# Allegro board BeagleBoard-X15_RevA2.brd (continued)
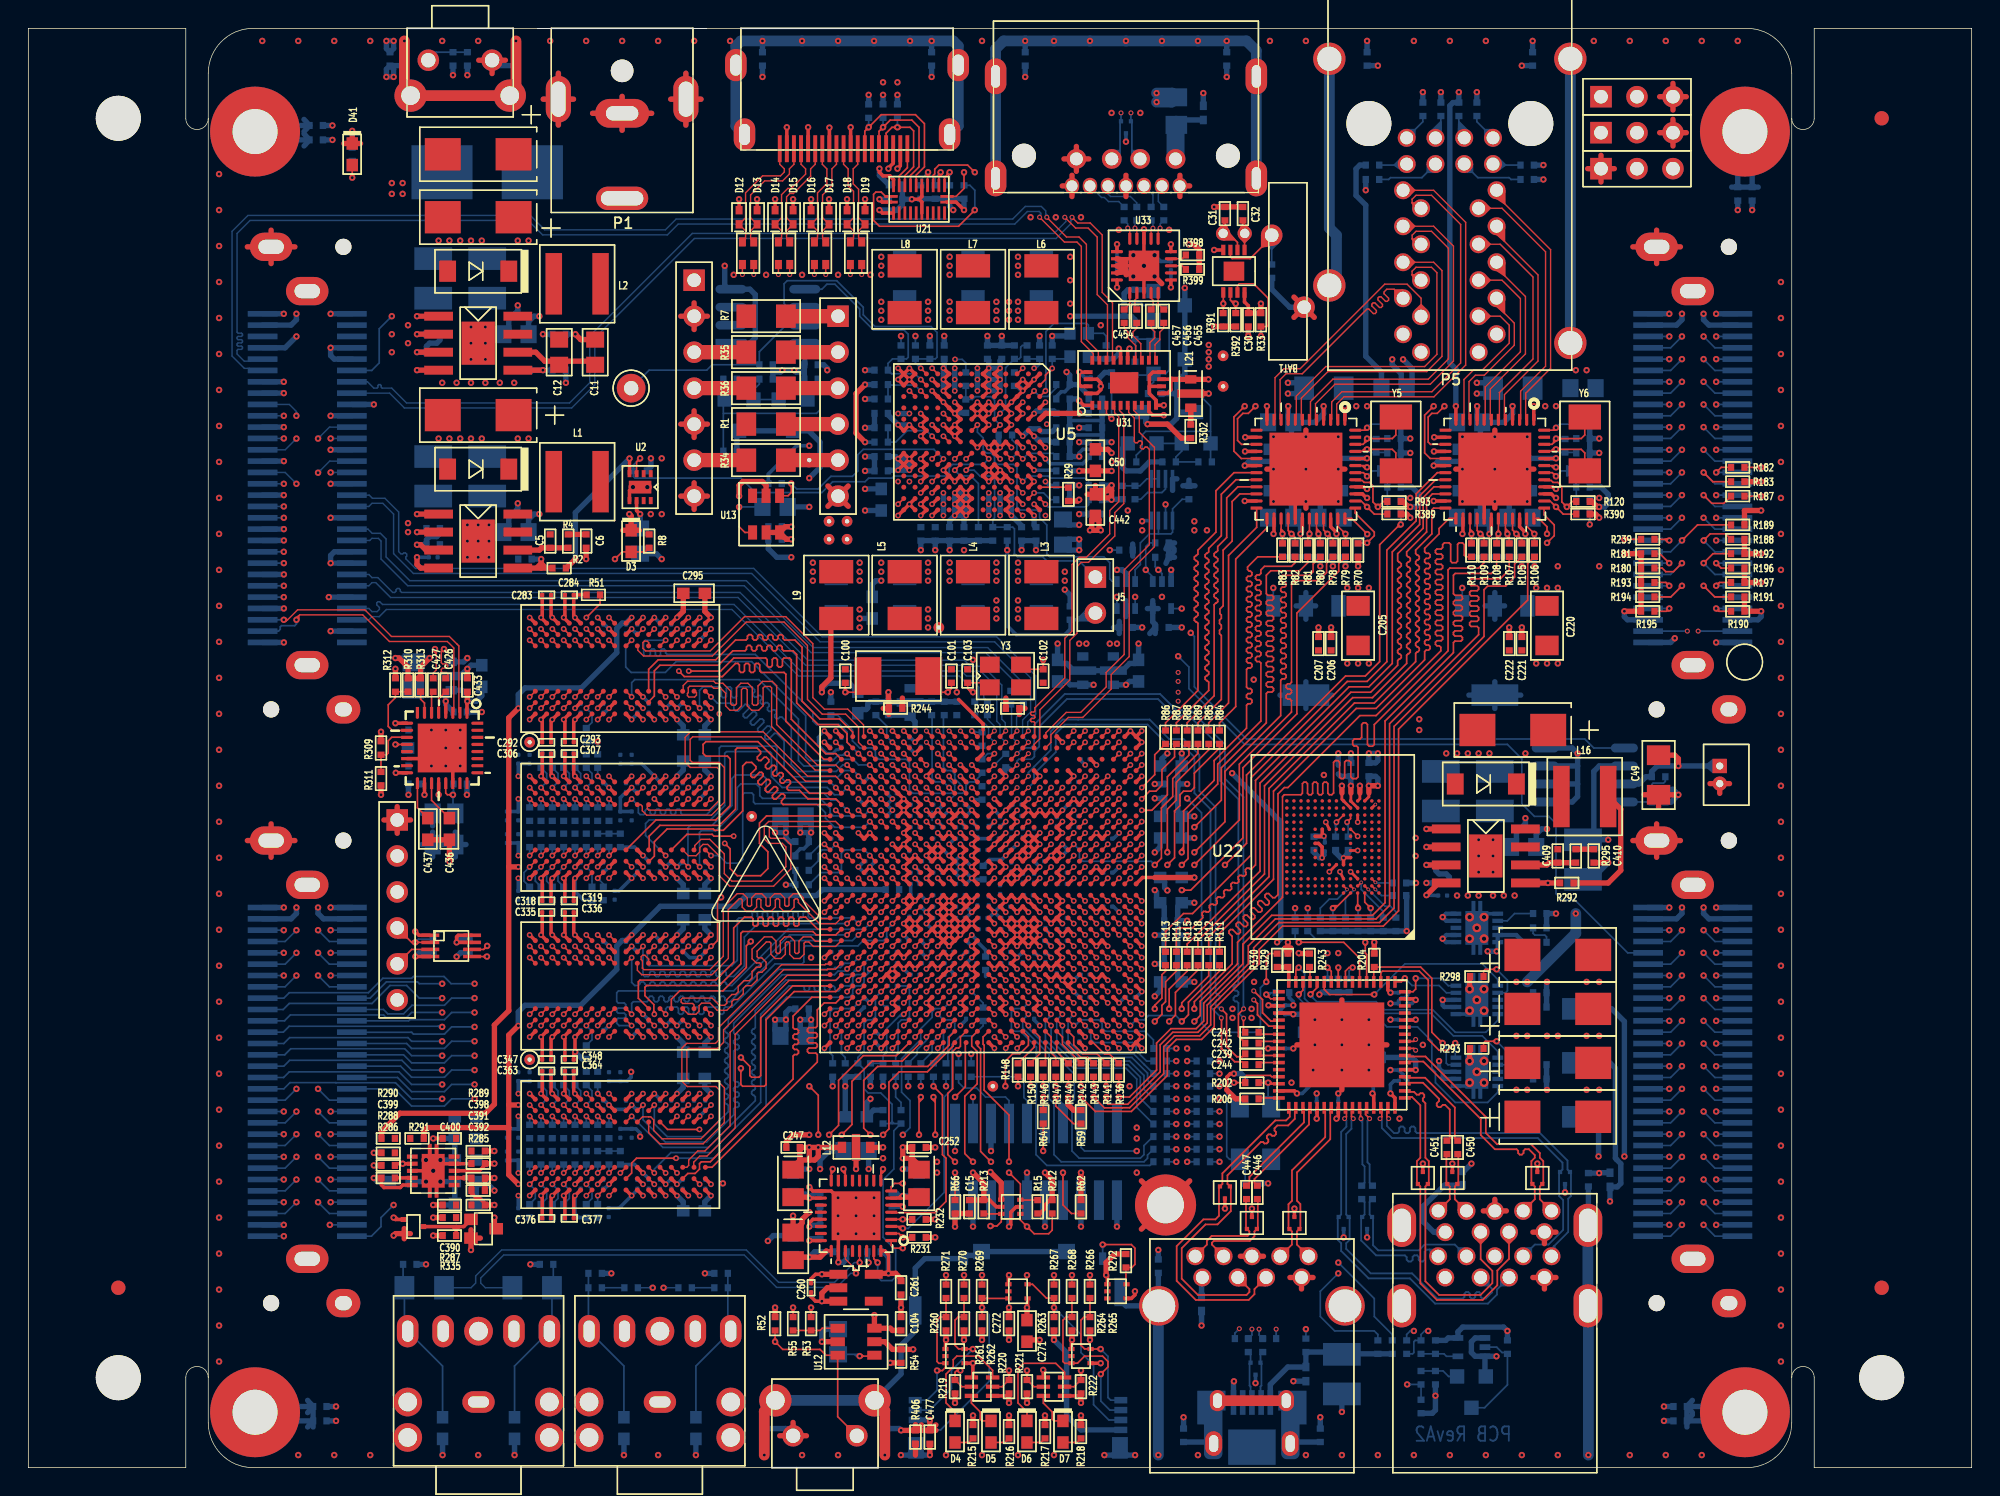
[diagram p0: board, top side]
## Routing (per net, layer and track width the routed paths; a pad name or vN(x,y) marks a point on that pad's centre or on a via; arc(x,y) is an arc through that point) (continued)
GND_SIGNAL: length 24
  TOP w0.254: v2(57.15,16.51) 57.17,16.49 U18.26 v2(57.17,14.5) ; v2(55.12,19.81) 55.12,19.78 55.37,19.53 U18.17 56.67,19.53 v2(57.15,19.05)
  TOP w0.381: v2(55.12,23.5) 53.98,23.5 53.5,23.02 C247.2
  SIG_L8 w0.381: 43.26,4.64 P9.1 ; P9.1 45.9,4.64 ; P9.1 44.58,3.7 ; P9.1 44.58,5.58 ; P8.1 33.1,4.64 ; P8.1 31.78,5.58 ; P8.1 31.78,3.7 ; P8.1 30.45,4.64
  BOTTOM w0.381: R226.2 v2(35.43,14.35) ; R228.2 v2(28.07,14.35) ; C248.2 57.75,14.72 57.53,14.5 v2(57.17,14.5) ; v2(52.2,16) 52.58,16.38 C249.2 ; v2(55.88,21.08) 55.88,21.72 56.52,22.35 FB9.2 ; R234.2 v2(41.15,13.72) ; R235.2 v2(47.75,13.72)
  vias: v2(57.15,17.78) v2(58.42,19.05) v2(58.42,17.78) v2(58.42,16.51) v2(59.69,19.05) v2(59.69,17.78) v2(59.69,16.51)
VBUS_DET: length 51.9
  TOP w0.12: v2(68.96,26.92) 68.96,28.7 69.47,29.21 69.98,29.21 70.59,29.82 70.59,30.41 U11.B11
  SIG_L10 w0.094: v2(68.96,26.92) 68.96,26.29 71.63,23.62 74.68,23.62 77.22,21.08 77.22,10.67 78.87,9.02 98.17,9.02 v2(98.81,9.65)
  BOTTOM w0.12: R414.1 97.7,8.03 97.79,8.13 97.79,8.89 97.88,8.98 R413.2 98.3,9.4 98.55,9.65 v2(98.81,9.65)
VCC_SENSE: length 2.8
  TOP w0.12: U5.B3 v1(70.99,76.01)
  BOTTOM w0.12: R30.2 72.55,76.22 71.95,75.62 71.38,75.62 v1(70.99,76.01)
VCC_SENSE2: length 2
  TOP w0.12: U5.A11 73.38,69.21 R29.2
VDD_1.1: length 19.4
  TOP w0.254: v2(94.87,26.42) 94.96,26.32 U17.13 ; U17.8 92.46,25.39 92.46,24.77 v2(92.33,24.64) ; U17.31 97.84,33.09 v2(97.92,33.02) ; v2(90.93,24.64) 90.96,24.67 U17.5 ; v2(97.92,28.07) 97.89,28.09 U17.21 ; v2(87.5,29.59) 87.51,29.6 88.27,29.6 ; v2(87.53,32.64) 87.57,32.59 88.27,32.59 ; U17.28 97.89,31.6 v2(97.92,31.62)
  BOTTOM w0.254: v2(90.93,24.64) C484.1 ; C482.1 v2(87.53,32.64) ; C483.1 v2(87.5,29.59) ; v2(94.87,26.42) 94.93,26.47 C486.1 ; C487.1 v2(97.92,28.07) ; C485.1 92.46,24.77 v2(92.33,24.64) ; C489.1 97.66,32.77 v2(97.92,33.02) ; C488.1 v2(97.92,31.62)
  BOTTOM w0.305: R201.1 105.54,37.08 105.02,37.6 U16.9 U16.10 103.71,36.53 v2(103.63,36.45)
  BOTTOM w0.381: C481.1 97.66,28.96 97.92,28.7 v2(97.92,28.07) ; v2(103,36.45) v2(103.63,36.45)
VDD_1V8: length 66.3
  TOP w0.254: U11.W17 v1(64.99,44.81) U11.W18 v1(64.19,44.81) ; U11.M9 v1(72.19,38.41) U11.M8 ; U11.J21 v1(61.79,36.01) U11.J22 v1(60.99,36.01) ; U11.M8 v1(72.99,39.21) U11.N8 v1(72.99,40.01) U11.P8 ; U11.M8 v1(72.99,38.41) ; U11.N21 v1(62.59,40.01) ; U11.N21 v1(61.79,39.21) ; U11.N21 v1(61.79,40.01) U11.P21 v1(62.59,40.01) ; v1(62.59,40.01) U11.P20 ; v1(61.79,44.01) U11.W21 v1(61.79,44.81) U11.Y21 v1(61.79,45.61) ; v1(61.79,44.01) U11.V22 v1(60.99,44.01) ; v1(61.79,44.01) U11.V21 ; v1(64.19,34.41) U11.G18 v1(64.99,35.21) U11.H17 ; v1(73.79,46.41) U11.AA7 v1(73.79,45.61) U11.Y7 ; U11.R8 v1(72.99,41.61) U11.T8 v1(72.99,42.41) ; v1(62.99,68.81) U5.L11 ; U11.AA18 v1(64.19,46.41) U11.AA19 v1(63.39,46.41)
  TOP w0.381: v2(56.01,54.74) 56.01,55.12 56.64,55.75 56.64,59.56 L9.2 ; v2(78.99,73.66) 80.39,73.66 81.37,72.68 R302.2
  BOTTOM w0.254: C195.1 72.67,38.72 v1(72.99,38.41) ; v1(61.79,44.01) U11.V21 C193.1 ; v1(64.19,46.41) 64.5,46.72 C185.1 ; v1(72.99,42.41) 72.67,42.09 C194.1 ; C192.1 64.5,44.49 v1(64.19,44.81) ; v1(61.79,44.81) U11.Y21 C191.1 ; v1(64.99,35.21) 65.3,34.89 C186.1 ; v1(73.79,45.61) 73.47,45.29 C188.1 ; v1(60.99,36.01) 61.3,36.32 C196.1 ; v1(73.79,46.41) 73.47,46.09 C187.1
  BOTTOM w0.381: v2(56.01,54.74) 56.01,54.99 56.39,55.37 57.95,55.37 C190.1 ; v2(81.62,83.27) Q10.3 U44.3 81.62,77.18 81.06,76.61 R425.2 ; R425.2 81.06,74.55 ; R425.2 R428.2 ; 81.06,74.55 81.1,74.51 U43.3 ; 81.06,74.55 81.06,74.07 80.65,73.66 v2(78.99,73.66) 78.87,73.79 78.87,74.26 Q9.3 ; R420.2 50,73.03 U35.3 Q8.3 55.08,73.19 55.88,72.39 55.88,70.61 v2(55.12,69.85) ; C189.1 v2(58.67,59.94)
  vias: v2(58.67,60.58) v2(58.67,59.31)
VDD_3V3: length 212.5
  TOP w0.203: 93.34,47.62 93.34,47.09 U22.P5 U22.N4 ; v1(93.82,45.57) U22.M4 ; v1(92.58,42.06) U22.C6
  TOP w0.254: 88.27,32.1 89.19,32.1 v2(89.28,32) ; R15.1 71.41,17.94 71.75,18.29 71.75,18.54 72.1,18.89 R212.1 ; U11.E5 v1(75.39,32.81) ; v1(66.59,34.41) U11.G15 v1(66.59,35.21) ; U33.16 v2(76.84,86.36) ; U11.U10 v1(71.39,43.21) ; v1(66.59,35.21) U11.H16 v1(65.79,35.21) ; v1(66.59,35.21) U11.H15 ; v1(63.39,35.21) U11.H19 v1(64.19,35.21) U11.H18 ; v1(76.19,42.41) U11.T4 v1(75.39,42.41) U11.T5 ; U20.7 v2(30.23,37.08) 30.23,37.08 30.23,37.47 30.34,37.58 U20.8 ; R286.1 24.93,19.95 25.1,19.77 26.25,19.77 26.43,19.95 U27.10 ; U33.10 v2(80.64,86.35) ; U11.N5 v1(75.39,39.21) U11.N4 v1(76.19,39.21) ; v2(96.14,33.53) 95.96,33.71 U17.34 ; C30.1 86.11,82.02 85.84,82.28 U6.8 ; U11.R10 v1(71.39,41.61) ; U11.C24 v1(59.39,31.21) ; v2(89.53,26.42) 89.35,26.6 88.27,26.6 ; U21.23 65.48,89.33 v2(66.04,88.77) ; U11.P10 v1(71.39,40.01) ; U11.H8 v1(72.99,35.21) ; U11.H8 v1(72.19,35.21) U11.H9 v1(71.39,35.21) U11.H10 v1(70.59,35.21) U11.H11 ; U11.H8 v1(72.99,36.01) U11.J8 v1(72.99,36.81) U11.K8 ; v1(76.19,44.81) U11.W4 v1(75.39,44.81) U11.W5 ; U11.AE7 v1(73.79,48.81) U11.AD7 ; U11.AB7 v1(73.79,47.21) U11.AB6 v1(74.59,47.21) ; U17.16 96.46,26.1 v2(96.14,26.42) ; v1(76.19,34.41) U11.G4 v1(75.39,34.41) U11.G5 ; U11.AF5 v1(75.39,49.61) ; U11.B23 v1(60.19,30.41) ; v1(65.79,32.01) U11.D16 v1(65.79,32.81) U11.E16 ; U11.B6 v1(74.59,30.41) ; U33.6 v2(80.64,83.31) ; v1(60.99,32.01) U11.D22 v1(60.99,32.81) U11.E22 ; v1(71.39,32.01) U11.D10 v1(71.39,32.81) U11.E10 ; U11.E3 v1(76.99,32.81) ; U33.20 v2(76.84,83.31) ; v1(69.39,70.41) U5.D9 ; R213.1 67.85,18.89 68.33,18.41 U4.5 ; U11.R7 v1(73.79,41.61) ; U11.AD5 v1(75.39,48.81)
  TOP w0.381: R390.1 110.62,67.31 v2(110.87,67.06) ; v2(97.54,67.06) 97.28,67.31 R389.1 ; v2(89.66,36.32) 89.7,36.29 R243.1 ; R288.2 v2(24.38,21.34) ; C50.1 76.2,71.88 v2(76.45,71.63) ; R212.1 72.26,20.32 v2(71.75,20.83) ; v2(87,82.17) R33.1 C30.1 ; R392.1 R391.1 v2(83.7,80.55) ; R62.1 v2(74.3,20.83) ; v2(81.9,86.34) 82.26,86.34 82.64,85.96 R398.1 R399.1 ; v2(122.3,62.48) R197.2 R196.2 ; R59.1 73.77,25.24 73.39,25.62 v2(73.39,26.15) ; v2(25.91,57.15) 26.16,57.15 26.8,56.52 R310.1 R313.2 27.69,56.52 v2(28.32,57.15) ; v2(122.3,67.56) 121.12,67.56 R189.2 ; C15.1 R213.1 67.44,20.07 v2(66.68,20.83) ; v2(93.34,48.13) 93.34,47.62 ; L12.1 v2(60.33,22.61) ; R309.1 v2(24.89,51.94) ; R204.2 v2(95,37.08) ; R286.1 v2(24.38,20.45)
  SIG_L5 w0.381: v2(104.39,9.65) 104.78,9.27 117.68,9.27 P18.A3
  PWR_L7 w0.381: P16.A3 121.4,53.53 ; P16.A3 120.03,52.35 ; P16.A3 118.65,53.53 ; P16.A3 120.03,54.7 ; 110.06,95.83 J3.1 ; J3.1 110.06,97.71 ; J3.1 111.94,97.71 ; J3.1 111.94,95.83 ; J4.1 111.94,95.17 ; J4.1 110.06,93.29 ; J4.1 110.06,95.17 ; J4.1 111.94,93.29 ; P17.A3 23.61,11.62 ; P17.A3 22.23,12.79 ; P17.A3 20.86,11.62 ; P17.A3 22.23,10.44 ; P18.A3 121.4,11.62 ; P18.A3 120.03,10.44 ; P18.A3 120.03,12.79 ; P18.A3 118.65,11.62 ; J6.3 116.79,92.41 ; J6.3 115.36,90.98 ; J6.3 115.36,92.41 ; J6.3 116.79,90.98 ; 22.23,52.35 P19.A3 ; P19.A3 22.23,54.7 ; P19.A3 20.86,53.53 ; P19.A3 23.61,53.53
  BOTTOM w0.254: C134.1 74.99,33.2 v1(75.39,32.81) ; v1(75.39,49.61) 74.99,50.01 C116.1 ; C133.1 74.28,30.72 v1(74.59,30.41) ; C125.1 U11.P10 v1(71.39,40.01) ; C129.1 64.59,35.6 v1(64.19,35.21) ; v1(75.39,42.41) U11.T4 C120.1 ; C126.1 72.67,37.12 v1(72.99,36.81) ; v1(73.79,48.81) 73.47,48.49 C117.1 ; C137.1 61.39,32.4 v1(60.99,32.01) ; C124.1 U11.R7 v1(73.79,41.61) ; C132.1 U11.H8 v1(72.99,36.01) ; C123.1 71.07,41.29 v1(71.39,41.61) ; C493.1 96.39,27.3 96.14,27.05 v2(96.14,26.42) ; v1(76.99,32.81) 77.39,33.2 C114.1 ; C490.1 v2(89.28,32) ; v1(75.39,39.21) 75.79,39.6 C121.1 ; C115.1 74.99,34.8 v1(75.39,34.41) ; C127.1 70.19,35.6 v1(70.59,35.21) ; v1(60.19,30.41) 59.88,30.72 C138.1 ; C471.1 76.84,86.35 v2(76.84,86.36) ; C470.1 80.65,83.32 v2(80.64,83.31) ; C118.1 U11.AB6 v1(74.59,47.21) ; C136.1 U11.D16 v1(65.79,32.81) ; v1(66.59,34.41) 66.9,34.72 C139.1 ; v1(66.59,35.21) 66.9,35.52 C128.1 ; C492.1 v2(96.14,33.53) ; C135.1 U11.D10 v1(71.39,32.81) ; C491.1 90.37,26.87 89.92,26.42 v2(89.53,26.42) ; v1(75.39,44.81) U11.W4 C119.1
  BOTTOM w0.305: U16.1 100.06,37.1 v2(99.82,37.34) 100.08,37.6 U16.2 ; U16.4 100.08,38.6 v2(99.82,38.86) 100.06,39.1 U16.5
  BOTTOM w0.381: v2(96.27,78.23) 96.27,77.85 96.9,77.22 96.9,76.58 FB3.1 97.66,76.58 97.66,77.6 v2(97.03,78.23) ; R246.1 R248.1 v2(66.04,88.77) ; R246.1 65.02,89.03 v2(65.28,88.77) ; R246.1 R245.1 R247.1 ; v2(89.28,32) 89.79,32 90.04,31.75 C494.1 ; R408.1 v2(104.39,9.65) 104.12,9.92 101.23,9.92 100.9,9.59 U42.5 100.22,9.16 100.04,8.98 R415.1 ; R45.1 v2(71.37,79.88) ; 54.77,77.34 C81.1 54.8,77.88 U8.8 ; 54.77,77.34 54.18,77.34 v2(54.05,77.47) v2(53.21,77.47) 53.09,77.34 52.54,77.34 ; 54.77,77.34 R419.1 54.77,75.62 Q8.2 ; 67.94,24.3 v2(67.94,22.35) ; R321.1 v2(56.77,26.92) ; v2(80.39,50.42) 80.01,50.04 80.01,49.66 C130.1 ; R68.2 v2(106.93,91.95) ; R38.2 59.66,25.24 C113.1 59.18,25.78 v2(59.44,26.04) ; R48.1 v2(56.64,54.74) ; R98.2 v2(99.7,97.09) ; C122.1 79.88,33.66 v2(79.5,33.27) ; v2(25.91,57.15) 26.88,57.15 L23.1 27.48,57.15 v2(28.32,57.15) ; R97.2 v2(102.23,97.09) ; R32.1 v2(74.17,67.31) ; v2(24.38,20.45) 24.64,20.19 C389.1 ; R17.1 v2(63.63,79.88) ; R294.1 v2(98.68,41.27) ; R37.2 52.54,77.34 ; 52.54,77.34 R418.1 ; v2(93.34,48.13) C268.1 92.62,48.8 C269.1 ; R237.1 v2(59.31,96.9) ; R46.1 v2(60.33,26.92) ; v2(30.23,37.08) 30.46,37.3 C263.2 ; L22.1 30.72,56.88 v2(30.99,57.15) ; R69.2 v2(94.39,90.17) ; C131.1 80.2,41.34 80.2,40.94 v2(80.39,40.75) ; R16.1 v2(59.05,77.47) ; v2(94.61,50.42) v2(95.25,50.42) 95.25,49.91 95.09,49.75 R249.2 v2(94.61,50.42)
  vias: v2(43.93,67.31) v2(44.7,67.31) v2(82.3,66.17) v2(109.22,77.47) v2(109.98,77.47)
VDD_3V3_ON: length 29.9
  TOP w0.12: v1(67.79,71.21) U5.F8 ; U2.3 42.93,71 v2(43.18,71.25)
  BOTTOM w0.12: v1(67.79,71.21) 67.4,70.82 65.24,70.82 65,70.57 65,70.27 64.73,70 61.11,70 60.96,69.85 59.31,69.85 59.05,69.6 56.77,69.6 56.01,68.83 51.31,68.83 50.29,69.85 42.82,69.85 42.71,69.97 R10.1 42.71,70.77 v2(43.18,71.25)
VDD_3V3_SP: length 95.9
  TOP w0.381: v2(59.72,10.77) U12.6 60.83,9.84 60.99,9.69 C104.1 ; R52.1 v2(52.7,11.3)
  INT_L3 w0.381: v2(52.7,11.3) 53.72,10.29 59.23,10.29 v2(59.72,10.77) 75.29,10.77 78.23,13.72 78.23,19.18 80.26,21.21 80.26,29.59 80.9,30.23 81.79,30.23 82.79,31.23 82.79,50.81 80.01,53.59 80.01,57.66 80.52,58.17 80.52,60.96 v2(80.01,61.47)
  BOTTOM w0.381: R44.1 80.87,64.69 ; R44.1 80.29,63.83 ; R44.1 80.9,64.26 ; R44.1 R42.1 ; 80.29,64.85 R42.1 ; R42.1 80.87,64.85 ; R42.1 80.9,65.28 ; U10.5 79.36,59.7 79.54,59.53 C97.1 ; U10.5 79.74,60.64 ; U10.5 79.36,61.2 ; U10.5 78.98,60.64 ; R405.1 81.92,69.71 ; R405.1 82.34,69.31 ; R405.1 81.49,69.31 ; 79.15,58.88 C97.1 ; C97.1 79.54,58.88 ; 81.06,69.8 U34.8 80.76,68.99 ; 77.47,61.2 U9.5 77.47,60.08 ; 76.59,59.31 C94.1 ; C94.1 77,58.88 ; C94.1 77,59.74 ; 77.94,64.34 R41.1 77.94,65.2
VDD_CDC: length 7.7
  TOP w0.254: U7.4 v2(29.46,54.1) ; v2(30.99,54.1) 30.96,53.95 U7.1
  TOP w0.381: v2(30.99,54.1) C433.1
  BOTTOM w0.381: C430.1 29.46,53.89 v2(29.46,54.1) 29.46,54.49 L22.3 30.59,54.88 30.99,54.48 v2(30.99,54.1) 31.62,54.1 32,54.48 C431.1
VDD_CORE: length 40.7
  TOP w0.254: U11.R11 v1(70.59,41.61) ; U5.K6 v1(63.79,73.61) ; v1(68.99,35.21) U11.H13 v1(68.19,35.21) U11.H14 ; v1(71.39,39.21) U11.N10 v1(70.59,40.01) U11.P11 v1(69.79,40.01) U11.P12 v1(68.99,40.01) ; v1(64.19,36.01) U11.J18 v1(64.99,36.01) U11.J17 ; v1(73.79,37.61) U11.L7 v1(72.99,37.61) U11.L8 ; U11.R19 v1(63.39,41.61) U11.T19 v1(63.39,42.41) ; v1(72.19,43.21) U11.U8 v1(72.99,43.21) U11.V8 ; v1(72.19,43.21) U11.V8 ; v1(72.19,43.21) U11.U9 ; U11.V8 v1(72.99,44.01) ; v1(68.99,39.21) U11.N13 v1(68.99,40.01) ; U11.U13 v1(68.99,42.41) U11.T13 ; v1(65.79,44.01) U11.V16 v1(65.79,43.21) U11.U16 v1(65.79,42.41) U11.T16 v1(65.79,41.61) U11.R16 ; v1(68.99,40.01) U11.P13
  TOP w1.016: P3.3 R36.2
  SIG_L8 w0.381: 83.88,75.88 TP18.1 ; TP18.1 84.77,76.77 ; TP18.1 83.88,76.77 ; TP18.1 84.77,75.88 ; 56.43,76.92 P3.3 ; P3.3 57.87,76.92 ; P3.3 57.87,75.48 ; P3.3 56.43,75.48
  BOTTOM w0.254: U11.T19 v1(63.39,42.41) ; U11.T19 v1(63.39,41.61) ; U11.T19 C62.2 ; C71.2 64.67,36.32 v1(64.99,36.01) ; v1(68.99,40.01) 68.59,40.4 C72.2 ; v1(72.99,44.01) 73.3,43.69 C55.2 73.3,43.52 v1(72.99,43.21) ; v1(70.59,41.61) 70.27,41.29 C60.2 ; v1(72.99,37.61) 72.67,37.92 C65.1 ; C67.2 U11.U9 v1(72.19,43.21) ; C58.2 68.67,35.52 v1(68.99,35.21) ; v1(65.79,41.61) 65.47,41.92 C66.2 65.47,42.09 v1(65.79,42.41) 65.47,42.72 C56.2 65.47,42.89 v1(65.79,43.21)
  BOTTOM w0.381: v2(79.5,43.43) 79.88,43.81 C54.1
VDD_DDR: length 210.1
  TOP w0.254: U11.G23 v1(60.99,34.41) U11.G22 v1(60.99,35.21) ; U11.G23 v1(60.99,35.21) ; U11.G23 v1(60.19,34.41) ; C348.1 37.87,30.32 v1(37.78,30.4) U26.N9 ; v1(48.18,31.2) U26.A8 ; v1(42.58,25.6) U25.H2 ; v1(60.99,48.01) U11.AC22 v1(61.79,47.21) ; C364.1 37.87,26.49 v1(37.78,26.4) U25.N1 ; U24.N1 v1(37.78,48.81) 37.87,48.89 C307.1 ; C336.1 37.87,37.69 v1(37.78,37.6) U26.N1 ; C363.1 36.27,26.49 v1(36.18,26.4) U25.R1 ; v1(46.58,37.6) U26.C1 ; C319.1 37.87,41.52 v1(37.78,41.61) U24.N9 ; v1(40.18,42.41) U24.K8 ; U23.N9 v1(37.78,52.81) 37.87,52.72 C293.1 ; v1(44.18,37.6) U26.F1 ; v1(47.38,25.6) U25.B2 ; v1(46.58,30.4) U26.C9 ; U11.L21 v1(62.59,38.41) ; U11.L21 v1(61.79,37.61) ; U11.L21 v1(61.79,38.41) U11.M21 v1(62.59,38.41) ; U11.L21 v1(62.59,37.61) U11.L20 v1(62.59,38.41) ; v1(62.59,38.41) U11.M20 ; U23.R9 v1(36.18,52.81) 36.27,52.72 C292.1 ; v1(43.38,43.21) U24.G7 ; U11.AH27 v1(56.99,52.01) ; U11.T25 v1(59.39,42.41) U11.T24 ; v1(42.58,48.01) U24.H2 ; C318.2 36.27,41.52 v1(36.18,41.61) U24.R9 ; v1(61.79,46.41) U11.AB22 v1(61.79,47.21) ; v1(61.79,46.41) U11.AB21 v1(61.79,47.21) ; v1(61.79,46.41) U11.AA21 ; v1(61.79,46.41) U11.AA22 ; v1(42.58,59.21) U23.H2 ; U23.R1 v1(36.18,60.01) 36.27,60.1 C283.1 ; v1(40.18,25.6) U25.K2 ; v1(46.58,41.61) U24.C9 ; v1(43.38,20.8) U25.G7 ; U11.AD26 v1(57.79,48.81) ; v1(44.18,26.4) U25.F1 ; v1(48.18,20) U25.A8 ; v1(60.99,35.21) U11.H22 v1(61.79,35.21) U11.H21 v1(62.59,35.21) U11.H20 ; v1(44.18,48.81) U24.F1 ; U25.N9 v1(37.78,19.2) 37.87,19.11 C377.1 ; v1(40.18,31.2) U26.K8 ; U23.N1 v1(37.78,60.01) 37.87,60.1 C284.1 ; v1(42.58,30.4) U26.H9 ; v1(47.38,59.21) U23.B2 ; v1(40.18,20) U25.K8 ; v1(42.58,52.81) U23.H9 ; U11.J27 v1(56.99,36.01) ; v1(40.18,59.21) U23.K2 ; v1(43.38,32) U26.G7 ; v1(45.78,36.8) U26.D2 ; v1(46.58,60.01) U23.C1 ; U11.AG28 v1(56.18,51.21) ; C376.1 36.27,19.11 v1(36.18,19.2) U25.R9 ; C306.1 36.27,48.89 v1(36.18,48.81) U24.R1 ; v1(43.38,54.41) U23.G7 ; v1(47.38,36.8) U26.B2 ; v1(48.18,26.4) U25.A1 ; U26.R1 v1(36.18,37.6) 36.27,37.69 C335.1 ; v1(42.58,41.61) U24.H9 ; v1(45.78,25.6) U25.D2 ; U11.W16 v1(65.79,44.81) ; v1(63.79,67.21) U5.K13 ; U11.AB25 v1(59.39,47.21) U11.AB24 ; v1(45.78,59.21) U23.D2 ; v1(48.18,53.61) U23.A8 ; v1(44.98,52.81) U23.E9 ; v1(46.58,26.4) U25.C1 ; v1(44.98,41.61) U24.E9 ; v1(48.18,60.01) U23.A1 ; U11.W27 v1(56.99,44.81) ; C392.1 31.28,19.38 31.6,19.05 31.83,19.05 32.22,18.65 R285.1 ; U11.E24 v1(59.39,32.81) ; v1(48.18,42.41) U24.A8 ; U26.R9 v1(36.18,30.4) 36.27,30.32 C347.1 ; v1(45.78,48.01) U24.D2 ; v1(44.98,30.4) U26.E9 ; v1(46.58,52.81) U23.C9 ; v1(46.58,19.2) U25.C9 ; U11.AG20 v1(62.59,50.41) ; v1(44.98,19.2) U25.E9 ; v1(42.58,36.8) U26.H2 ; v1(45.78,19.2) U25.D9 ; U27.2 30.73,20.45 ; v1(45.78,30.4) U26.D9 ; v1(44.18,60.01) U23.F1 ; v1(42.58,19.2) U25.H9 ; v1(45.78,52.81) U23.D9 ; v1(48.18,48.81) U24.A1 ; v1(45.78,41.61) U24.D9 ; v1(40.18,53.61) U23.K8 ; v1(40.18,48.01) U24.K2 ; v1(48.18,37.6) U26.A1 ; v1(46.58,48.81) U24.C1 ; v1(47.38,48.01) U24.B2 ; v1(40.18,36.8) U26.K2
  TOP w0.381: C295.1 47.75,60.44 v1(48.18,60.01) ; C392.1 C391.1 31.27,20.45 30.73,20.45 ; R285.1 v2(32.89,18.54)
  INT_L3 w0.381: v2(63.5,59.94) v2(63.5,60.58) 62.36,61.72 62.36,65.34 63.79,66.77 v1(63.79,67.21)
  PWR_L6 w0.381: 50.61,46.42 TP16.1 ; TP16.1 51.5,45.53 ; TP16.1 50.61,45.53 ; TP16.1 51.5,46.42
  PWR_L7 w0.381: TP16.1 51.5,45.53 ; TP16.1 50.61,45.53 ; TP16.1 50.61,46.42 ; TP16.1 51.5,46.42
  BOTTOM w0.254: v1(59.39,47.21) 59.7,46.89 C161.1 ; v1(34.58,24.8) C314.2 C313.2 ; C381.1 42.98,19.6 v1(42.58,19.2) 41.7,18.31 C333.2 ; C349.1 40.5,31.52 v1(40.18,31.2) ; v1(47.38,25.6) 47.07,25.29 C374.1 ; C351.2 C352.2 43.3,49.69 v1(44.18,48.81) 44.58,48.41 C310.1 ; C159.1 U11.AD26 v1(57.79,48.81) ; C388.1 42.79,43.8 v1(43.38,43.21) 43.78,42.81 C322.1 ; C164.1 U11.AA22 v1(61.79,46.41) U11.AA21 C173.1 ; C167.1 62.19,38.8 v1(61.79,38.41) ; v1(48.18,60.01) U23.A1 C291.1 ; C382.1 43.78,20.4 v1(43.38,20.8) 42.79,21.4 C334.1 ; v1(44.98,30.4) U26.E9 C356.1 ; v1(62.59,35.21) 62.99,35.6 C177.1 ; C311.1 45.47,47.69 v1(45.78,48.01) ; C328.2 C329.2 42.89,23.92 43.18,23.62 v2(43.18,23.37) ; C332.2 v1(34.58,19.2) ; v1(40.18,53.61) 40.5,53.92 C294.1 ; v1(61.79,35.21) 62.19,34.8 C176.1 ; C182.1 66.1,44.49 v1(65.79,44.81) ; C380.2 41.7,40.72 v1(42.58,41.61) 42.98,42.01 C321.1 ; v1(40.18,48.01) 40.5,47.69 C308.1 ; C286.1 42.9,58.89 v1(42.58,59.21) 42.27,58.89 C277.2 ; v1(43.38,32) 43.78,31.6 C355.1 ; v1(46.58,41.61) U24.C9 C325.1 ; C370.2 C362.2 41.78,47.29 C278.2 42.27,47.69 v1(42.58,48.01) 42.9,47.69 C309.1 ; v1(46.58,30.4) U26.C9 C359.1 ; C170.1 61.3,47.69 v1(60.99,48.01) ; v1(42.58,52.81) 42.98,53.21 C300.1 ; C305.1 47.87,53.92 v1(48.18,53.61) ; C360.1 47.87,31.52 v1(48.18,31.2) ; C330.2 C331.2 v1(34.58,20.8) ; C297.2 C296.2 v1(34.58,26.4) ; v1(44.18,60.01) 44.58,59.61 C287.1 ; v1(40.18,25.6) 40.5,25.29 C365.1 ; v1(61.79,37.61) 62.1,37.29 C181.1 ; C171.1 57.38,51.61 v1(56.99,52.01) ; C368.1 45.47,25.29 v1(45.78,25.6) ; v1(48.18,42.41) 47.87,42.72 C326.1 ; v1(34.58,48.81) C342.2 C343.2 ; C316.1 47.07,47.69 v1(47.38,48.01) ; C165.1 59.7,42.09 v1(59.39,42.41) 59.7,42.72 C174.1 ; C172.1 U11.AB21 v1(61.79,47.21) U11.AB22 C162.1 ; v1(44.98,52.81) U23.E9 C302.1 ; v1(43.38,54.41) 43.78,54.01 C301.1 ; v1(60.99,35.21) 61.3,35.52 C175.1 ; C320.1 40.5,42.72 v1(40.18,42.41) ; C158.1 62.99,50.8 v1(62.59,50.41) 62.19,50.81 C184.1 ; C163.1 55.08,44.04 54.74,43.69 54.48,43.69 54.14,43.34 R273.1 ; C373.1 U25.C1 v1(46.58,26.4) ; C378.1 40.5,20.31 v1(40.18,20) ; v1(44.98,41.61) U24.E9 C323.1 ; v1(45.78,41.61) U24.D9 C324.1 ; v1(34.58,47.21) C358.2 C353.2 ; C315.1 U24.C1 v1(46.58,48.81) ; v1(46.58,52.81) U23.C9 C304.1 ; v1(59.39,32.81) 59.07,33.12 C178.1 ; v1(46.58,60.01) U23.C1 C289.1 ; v1(40.18,36.8) 40.5,36.49 C337.1 ; v1(47.38,36.8) 47.07,36.49 C345.1 ; C346.1 U26.A1 v1(48.18,37.6) ; v1(45.78,36.8) 45.47,36.49 C340.1 ; v1(46.58,19.2) U25.C9 C385.1 ; v1(62.59,37.61) 62.9,37.92 C183.1 ; v2(42.55,27.94) 42.55,27.56 42.28,27.29 C299.2 C298.2 ; v1(34.58,43.21) C372.2 C371.2 ; v1(40.18,59.21) 40.5,58.89 C285.1 ; C317.2 U24.A1 v1(48.18,48.81) ; C366.1 42.9,25.29 v1(42.58,25.6) ; C383.1 U25.E9 v1(44.98,19.2) ; C375.1 U25.A1 v1(48.18,26.4) ; v1(44.18,37.6) 44.58,37.2 C339.1 ; v1(56.99,36.01) 57.3,36.32 C168.1 ; C344.1 U26.C1 v1(46.58,37.6) ; C160.1 57.3,44.49 v1(56.99,44.81) ; v1(45.78,19.2) U25.D9 C384.1 ; C169.1 61.3,34.72 v1(60.99,34.41) ; v1(48.18,20) 47.87,20.31 C386.1 ; C379.2 v1(34.58,41.61) ; v1(45.78,30.4) U26.D9 C357.1 ; C338.1 42.9,36.49 v1(42.58,36.8) 42.27,36.49 C281.2 ; C303.1 U23.D9 v1(45.78,52.81) ; C290.2 47.07,58.89 v1(47.38,59.21) ; C354.1 42.98,30.8 v1(42.58,30.4) ; C157.1 56.5,50.89 v1(56.18,51.21) ; C367.1 44.58,26 v1(44.18,26.4) ; C166.1 62.99,38.8 v1(62.59,38.41) ; C288.1 45.47,58.89 v1(45.78,59.21)
  BOTTOM w0.381: C361.1 46.22,18.76 v1(45.78,19.2) ; C327.1 47.75,49.24 v1(48.18,48.81) ; v2(55.25,44.83) v2(54.48,44.83) 54.48,45.59 C156.1 55.25,45.59 v2(55.25,44.83) ; v2(55.25,44.83) 55.08,44.67 C163.1 ; v2(32.89,18.54) 31.75,18.54 C394.1 C393.1 32.26,20.19 v2(32.89,19.56) ; C312.1 46.22,52.37 v1(45.78,52.81) ; v1(48.18,37.6) 47.75,38.04 C341.1 ; v2(55.25,31.62) 55.25,30.86 C180.1 54.48,30.86 v2(54.48,31.62) v2(55.25,31.62) ; v2(55.25,31.62) 55.08,31.78 C179.1 ; C350.1 47.75,26.84 v1(48.18,26.4) ; C369.1 46.22,41.17 v1(45.78,41.61) ; v1(45.78,30.4) 46.22,29.97 C387.1
  vias: v2(63.5,59.31)
VDD_DSP: length 61.2
  TOP w0.254: v1(64.19,43.21) U11.U19 v1(63.39,43.21) U11.V19 ; v1(64.19,43.21) U11.V18 v1(64.19,44.01) U11.V19 ; v1(64.19,43.21) U11.U18 ; v1(64.19,43.21) U11.V19 ; U11.K11 v1(69.79,37.61) ; U11.K11 v1(69.79,36.81) U11.K12 ; U11.K11 v1(70.59,36.81) U11.K10 ; U11.K11 v1(70.59,37.61) ; v1(69.79,37.61) U11.L12 ; v1(69.79,37.61) U11.L11 ; v1(69.79,37.61) U11.K12 ; U11.M13 v1(68.99,38.41) ; v1(68.99,38.41) U11.L12 ; v1(68.99,38.41) U11.M12 v1(69.79,38.41) ; U11.K10 v1(71.39,36.81) ; U11.K10 v1(71.39,37.61) U11.L10 ; U11.K10 v1(70.59,37.61) ; v1(70.59,38.41) U11.L11 ; v1(70.59,38.41) U11.M11 v1(69.79,38.41) ; v1(70.59,38.41) U11.M10 v1(71.39,38.41) U11.L10 ; v1(70.59,38.41) U11.L10 ; U11.L11 v1(70.59,37.61) ; U11.L11 v1(69.79,38.41) ; U11.L12 v1(69.79,38.41) ; U11.W10 v1(70.59,44.81) U11.W11 v1(70.59,44.01) ; U11.W10 v1(71.39,44.01) U11.V10 ; U11.W10 v1(71.39,44.81) ; U11.W10 v1(70.59,44.01) ; v1(68.99,44.81) U11.W13 v1(68.19,44.01) U11.V14 ; U11.V11 v1(70.59,44.01) ; U11.V11 v1(69.79,43.21) ; U11.V11 v1(70.59,43.21) ; v1(70.59,44.01) U11.V10 ; U11.V19 v1(63.39,44.01) ; U11.K13 v1(68.99,36.81) ; v1(68.99,36.81) U11.J13 v1(68.99,36.01) ; v1(68.99,36.81) U11.K12 ; v1(69.79,43.21) U11.U11 v1(70.59,43.21) ; v1(69.79,43.21) U11.U12 ; v1(70.59,43.21) U11.V10 ; v1(70.59,37.61) U11.L10 ; U5.K2 v1(63.79,76.81)
  TOP w1.016: P3.2 R35.2
  PWR_L6 w0.381: 83.88,78.93 TP17.1 ; TP17.1 84.77,78.93 ; TP17.1 84.77,78.04 ; TP17.1 83.88,78.04
  SIG_L8 w0.381: 56.43,78.02 P3.2 ; P3.2 57.87,78.02 ; P3.2 57.87,79.46 ; P3.2 56.43,79.46 ; TP17.1 84.77,78.04 ; TP17.1 83.88,78.04 ; TP17.1 84.77,78.93 ; TP17.1 83.88,78.93
  BOTTOM w0.254: C59.1 70.19,38 v1(70.59,37.61) ; C61.1 68.67,36.32 v1(68.99,36.01) ; C57.1 69.3,38.72 v1(68.99,38.41) ; v1(70.59,44.81) 70.27,44.49 C74.1 ; C73.1 71.07,44.49 v1(71.39,44.81) ; C76.1 U11.V14 v1(68.19,44.01) ; v1(63.39,43.21) 63.7,42.89 C69.1 ; C78.2 70.27,43.52 v1(70.59,43.21) ; v1(71.39,37.61) 70.99,38 C51.1 ; v1(69.79,37.61) 69.39,38 C52.2 ; v1(68.99,44.81) U11.W13 C79.1 ; v1(69.79,43.21) U11.U12 C75.1 ; C68.1 63.87,43.52 v1(64.19,43.21)
  BOTTOM w0.381: C64.1 C63.1 80.17,39.59 C53.1 79.63,40.13 79.63,40.64 v2(79.5,40.77) ; C64.1 C70.1 C80.1 v2(79.5,35.56) ; C64.1 v2(79.5,37.59)
  vias: v2(83.31,79.25) v2(83.31,78.74) v2(83.31,78.23) v2(83.31,77.72)
VDD_MPU: length 51.9
  TOP w0.254: U11.M17 v1(64.99,39.21) ; U11.M17 v1(65.79,38.41) ; U11.M17 v1(64.99,38.41) ; v1(64.99,39.21) U11.N17 v1(64.99,40.01) ; v1(64.99,39.21) U11.M18 ; v1(64.99,39.21) U11.N18 ; v1(64.19,38.41) U11.L18 ; v1(64.19,38.41) U11.M18 ; v1(64.19,38.41) U11.L19 ; U11.L18 v1(64.99,37.61) ; U11.L18 v1(64.99,38.41) ; U11.L18 v1(64.19,37.61) ; U11.N18 v1(64.99,40.01) ; U11.N18 v1(64.19,40.01) U11.P18 v1(64.99,40.01) ; U11.N18 v1(64.19,39.21) U11.M18 ; v1(64.99,40.01) U11.P17 ; U11.L17 v1(65.79,38.41) ; U11.L17 v1(64.99,37.61) ; U11.L17 v1(64.99,38.41) ; U11.L17 v1(65.79,37.61) ; v1(65.79,38.41) U11.L16 ; v1(65.79,38.41) U11.M16 v1(66.59,38.41) ; v1(64.99,38.41) U11.M18 ; v1(64.19,37.61) U11.L19 ; v1(64.19,37.61) U11.K18 ; U11.L19 v1(63.39,37.61) ; U11.L16 v1(66.59,38.41) ; U11.L16 v1(65.79,37.61) ; v1(66.59,38.41) U11.M15 ; v1(66.59,38.41) U11.L15 ; U11.R18 v1(64.19,41.61) ; v1(64.99,37.61) U11.K17 ; v1(64.99,37.61) U11.K18 ; U11.K17 v1(65.79,37.61) ; U11.K17 v1(64.99,36.81) U11.K18 ; U11.K18 v1(64.19,36.81) ; U5.B13 v1(70.99,67.21)
  TOP w0.381: U12.5 60.45,8.89 60.99,8.35 R54.2 v2(62.45,8.35)
  TOP w1.016: R34.2 TP13.1 P3.5
  PWR_L6 w0.381: P3.5 57.87,71.84 ; P3.5 56.43,71.84 ; P3.5 56.43,70.4 ; P3.5 57.87,70.4 ; 55.56,71.57 TP13.1 55.56,70.67
  SIG_L8 w0.381: 54.67,71.57 TP13.1 ; TP13.1 55.56,71.57 ; TP13.1 54.67,70.67 ; TP13.1 55.56,70.67 ; 56.43,70.4 P3.5 ; P3.5 56.43,71.84 ; P3.5 57.87,71.84 ; P3.5 57.87,70.4
  BOTTOM w0.254: v1(64.99,39.21) 65.39,39.6 C88.2 ; v1(64.99,40.01) U11.P17 C87.1 ; v1(64.19,39.21) 64.5,39.52 C77.1 ; v1(65.79,38.41) 65.47,38.72 C91.1 ; v1(65.79,37.61) 65.47,37.92 C90.1 ; v1(64.99,37.61) 64.67,37.29 C89.2 64.67,37.12 v1(64.99,36.81) ; C84.1 64.5,40.32 v1(64.19,40.01) ; v1(64.19,37.61) 64.5,37.92 C83.1 ; v1(64.19,38.41) 64.5,38.72 C82.1 ; C85.1 66.99,38 v1(66.59,38.41) 66.99,38.8 C86.1
  BOTTOM w0.381: v2(74.17,66.55) 73.41,66.55 C93.1 ; v1(70.99,67.21) 70.99,66.52 C92.2
VDD_RTC: length 4.9
  TOP w0.254: U11.AB15 v1(66.59,47.21)
  TOP w0.381: U5.A5 71.8,74.42 v2(74.17,74.42)
  BOTTOM w0.254: v1(66.59,47.21) 66.64,47.15 C108.1
  BOTTOM w0.381: C28.2 v2(74.17,74.42)
VDD_SD: length 46.5
  TOP w0.254: v2(73.66,9.02) 73.62,8.98 D22.1 ; v2(64.77,9.02) 64.73,8.98 D20.1 ; v1(72.99,45.61) U11.Y8 v1(72.99,44.81) U11.W8 ; D23.1 76.16,13.5 v2(76.07,13.59) ; D21.1 69.17,13.55 v2(69.22,13.59) ; v1(70.19,72.81) U5.C6
  TOP w0.381: C272.2 v2(69.22,9.02) ; R265.1 v2(74.93,9.02) ; C271.1 70.61,9.02 v2(71.37,9.02) ; R264.1 v2(73.66,9.02) ; R272.1 76.67,15.08 76.07,14.48 v2(76.07,13.59) ; R262.1 v2(67.31,9.02) ; R261.1 v2(66.04,9.02) ; R260.1 v2(64.77,9.02) ; R263.1 v2(72.39,9.02)
  INT_L3 w0.381: v2(69.22,13.59) v2(70.48,13.59)
  SIG_L10 w0.381: v2(73.53,81.28) 72.76,80.51 72.76,75.38 v1(70.19,72.81)